# Altium PCB 400182.PcbDoc (part 2 of 3)
Units mm, origin at the board's own origin, x right, y up, seen from the top; angles counter-clockwise.
Board outline 50.6 x 50.4 mm, 2 copper layers (Top Layer, Bottom Layer), stack 1.505 mm thick; 166 components, 124 nets, 606 pads, 438 vias.
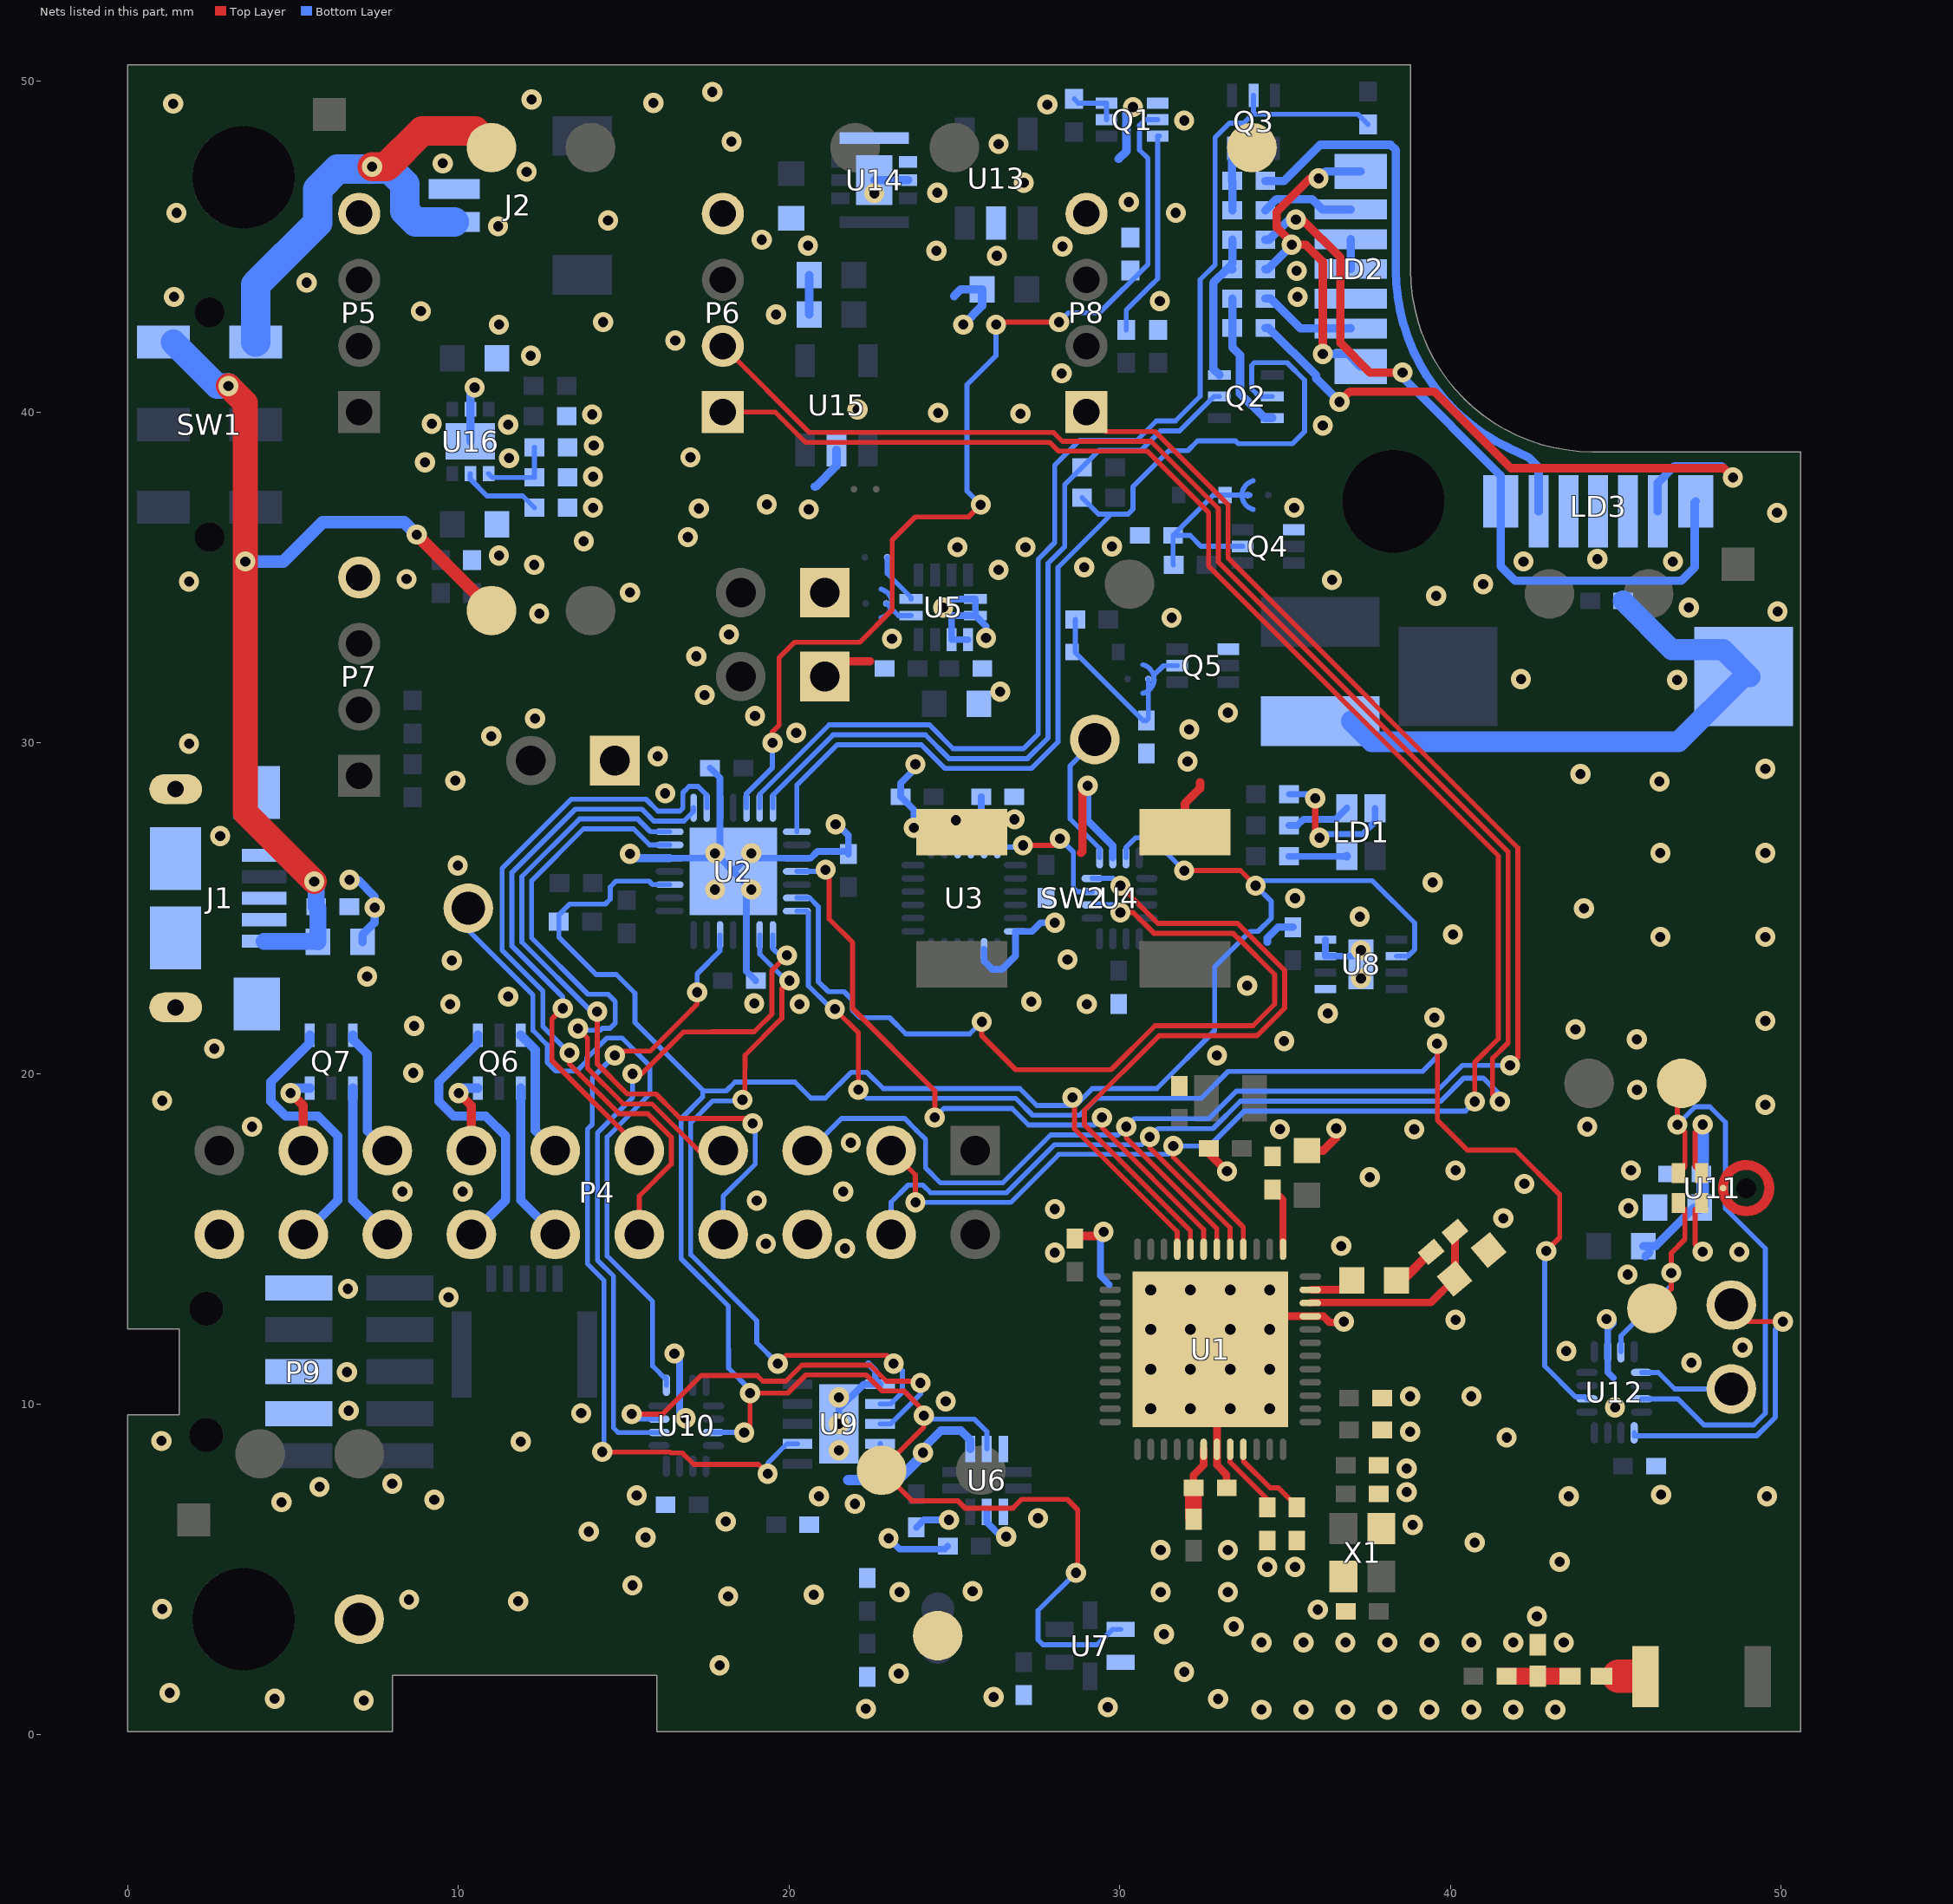
[diagram p2: the nets of this part, all layers, seen from the top]

## Part data (continued)
R6 R9: library part R0402-11R, "Resistor, ±1%, 0.063W", Part number IPS=00000007807, Supplier part number=214-0577, Value Ohm=11, Artikkelnr Noca=N.A., Artikkelnr Simpro=N.A., Footprint Doc=0402, LatestRevisionDate=2016-11-09, Note="Chip Res 1%", Part Number=R0402-11R, Pin Count=2, Published=2016-11-09, Publisher="Nordic Semiconductor", Supplier=Farnell
R10: library part R0402-100, "Resistor, ±1%, 0.063W", Part number IPS=00000002811, Supplier part number=173-8837, Value Ohm=100, Artikkelnr Noca=27049049, Artikkelnr Simpro=N.A., Footprint Doc=0402, LatestRevisionDate=2009-11-23, Note="Chip Res 1%", Part Number=R0402-100, Pin Count=2, Published=2009-05-08, Publisher="Nordic Semiconductor", Supplier=Farnell
R11 R12: library part R0402-39R, "Resistor, ±1%, 0.063W", Part number IPS=00000000821, Supplier part number=173-8831, Value Ohm=39, Artikkelnr Noca=27049039, Artikkelnr Simpro=N.A., Footprint Doc=0402, LatestRevisionDate=2009-11-23, Note="Chip Res 1%", Part Number=R0402-39R, Pin Count=2, Published=2009-05-08, Publisher="Nordic Semiconductor", Supplier=Farnell
R14 R16: library part R0402-18k, "Resistor, ±1%, 0.063W", Part number IPS=00000003300, Supplier part number=173-8867, Value Ohm=18000, Artikkelnr Noca=27049103, Artikkelnr Simpro=N.A., Footprint Doc=0402, LatestRevisionDate=2009-11-23, Note="Chip Res 1%", Part Number=R0402-18k, Pin Count=2, Published=2009-05-08, Publisher="Nordic Semiconductor", Supplier=Farnell
R17: library part R0402-27k, "Resistor, ±1%, 0.063W", Part number IPS=00000004188, Supplier part number=173-8869, Value Ohm=27000, Artikkelnr Noca=27049107, Artikkelnr Simpro=N.A., Footprint Doc=0402, LatestRevisionDate=2009-11-23, Note="Chip Res 1%", Part Number=R0402-27k, Pin Count=2, Published=2009-05-08, Publisher="Nordic Semiconductor", Supplier=Farnell
R18: library part R0402-15k, "Resistor, ±1%, 0.063W", Part number IPS=00000002098, Supplier part number=173-8866, Value Ohm=15000, Artikkelnr Noca=27049101, Artikkelnr Simpro=N.A., Footprint Doc=0402, LatestRevisionDate=2009-11-23, Note="Chip Res 1%", Part Number=R0402-15k, Pin Count=2, Published=2009-05-08, Publisher="Nordic Semiconductor", Supplier=Farnell
R19: library part NCP15XH103F03RC, "THERMISTOR 10K OHM NTC 0402 SMD", 2nd source part number=2456121, Manufacturer=Murata, Part number IPS=00000007808, Supplier part number=490-4801-1-ND, Value Ohm=10000, 2nd source Supplier=Farnell, Artikkelnr Noca=N.A., Artikkelnr Simpro=N.A., Footprint Doc=0402, LatestRevisionDate=2015-03-25, Manufacturer Part Number=NCP15XH103F03RC, Note="Chip Res 1%", Part Number=NCP15XH103F03RC, Pin Count=2, Published=2015-03-25, Publisher="Nordic Semiconductor", Supplier=Digi-Key
R20: library part R0402-1M5, "Resistor, ±1%, 0.063W", Part number IPS=00000007809, Value Ohm=1500000, Artikkelnr Noca=27049149, Artikkelnr Simpro=N.A., Footprint Doc=0402, LatestRevisionDate=2009-11-23, Note="Chip Res 1%", Part Number=R0402-1M5, Pin Count=2, Published=2009-05-08, Publisher="Nordic Semiconductor"
R21: library part R0402-180k, "Resistor, ±1%, 0.063W", Part number IPS=00000007810, Value Ohm=180000, Artikkelnr Noca=27049127, Artikkelnr Simpro=N.A., Footprint Doc=0402, LatestRevisionDate=2009-11-23, Note="Chip Res 1%", Part Number=R0402-180k, Pin Count=2, Published=2009-05-08, Publisher="Nordic Semiconductor"
R22 R23 R24 R25: library part R0402-4k7, "Resistor, ±1%, 0.063W", Part number IPS=00000003433, Supplier part number=173-8858, Value Ohm=4700, Artikkelnr Noca=27049089, Artikkelnr Simpro=N.A., Footprint Doc=0402, LatestRevisionDate=2009-11-23, Note="Chip Res 1%", Part Number=R0402-4k7, Pin Count=2, Published=2009-05-08, Publisher="Nordic Semiconductor", Supplier=Farnell
R27 R28: library part R0402-470, "Resistor, ±1%, 0.063W", Part number IPS=00000007975, Supplier part number=173-8845, Value Ohm=470, Artikkelnr Noca=27049065, Artikkelnr Simpro=N.A., Footprint Doc=0402, LatestRevisionDate=2009-11-23, Note="Chip Res 1%", Part Number=R0402-470, Pin Count=2, Published=2009-05-08, Publisher="Nordic Semiconductor", Supplier=Farnell
R29 R30 R31: library part R0402-100k, "Resistor, ±1%, 0.063W", Part number IPS=00000003667, Supplier part number=173-8877, Value Ohm=100000, Artikkelnr Noca=27049121, Artikkelnr Simpro=N.A., Footprint Doc=0402, LatestRevisionDate=2009-11-23, Note="Chip Res 1%", Part Number=R0402-100k, Pin Count=2, Published=2009-05-08, Publisher="Nordic Semiconductor", Supplier=Farnell
S1: library part "BMS1511F-11C-08H03P LF", "Speaker, SMD, 15.0mm x 11.0mm x 3.0mm, 0Hz-20kHz, 89dB, 8 ohm, 0.7W", Manufacturer=BeStar, Artikkelnr Noca=N.A., Artikkelnr Simpro=N.A., Datasheet="\\hizz\pro\app9717\Datasheet\speakers\bestar\BMS1511F-11C-08H03P LF.pdf", Footprint Doc="Speaker 15x11x3mm", LatestRevisionDate=2016-09-15, Manufacturer Part Number="BMS1511F-11C-08H03P LF", Part Number="BMS1511F-11C-08H03P LF", Pin Count=2, Published=2016-09-15, Publisher="Nordic Semiconductor"
SB2 SB9: library part "Solderbridge Shorted", "Shorted Solderbridge", Artikkelnr Noca=N.A., Artikkelnr Simpro=N.A., Footprint Doc=Solderbridge_Shorted, LatestRevisionDate=2012-08-07, Part Number="Solderbridge Shorted", Pin Count=2, Published=2012-08-07, Publisher="Nordic Semiconductor"
SW1: library part Switch-Slide-RA-J-Lead-DPDT-8.5x3.5mm_C&K, "SMD slide Switch (ON-ON)", 2nd source part number=611-JS202011JAQN, Manufacturer="C&K Components", Manufacturer Part Number=JS202011JAQN, Part number IPS=00000007811, Supplier part number=CKN10722CT-ND, 2nd source Supplier=Mouser, Artikkelnr Noca=N.A., Artikkelnr Simpro=N.A., Datasheet=http://www.ck-components.com/media/1422/js.pdf, Footprint Doc=Switch-Slide-RA-J-Lead-DPDT-8.5x3.5mm, LatestRevisionDate=2017-02-01, Part Number=Switch-Slide-RA-J-Lead-DPDT-8.5x3.5mm_C&K, Pin Count=6, Published=2016-09-15, Publisher="Nordic Semiconductor", Supplier=Digi-Key
SW2: library part Switch-PB-6.2x6.3mm-SMD, "Tactile Switch, SPNO, SMD, 160gf, 6.2x6.3x2.5mm", 2nd source part number=688-SKHUALE010, Manufacturer=Dailywell, Manufacturer Part Number=TS604VM1-025BR-R, Part number IPS=00000007812, 2nd source Supplier=Mouser, Artikkelnr Noca=50019106, Artikkelnr Simpro=N.A., Datasheet=\\hizz\pro\app9717\Datasheet\switches\Dailywell\TS604VM1-025BR-R.pdf, Footprint Doc=Switch-PB-6.2x6.3mm-SMD, LatestRevisionDate=2016-04-21, Part Number=Switch-PB-6.2x6.3mm-SMD, Pin Count=4, Published=2010-02-01, Publisher="Nordic Semiconductor", Supplier=Cabcon, Supplier part number=TS604VM1-025BR-R
TP1 TP2 TP3 TP4 TP16: library part "Testpoint TH", "Testpoint, through hole", Artikkelnr Noca=N.A., Artikkelnr Simpro=N.A., Footprint Doc=TESTPAD-TH, LatestRevisionDate=2009-12-12, Part Number="Testpoint TH", Pin Count=1, Published=2009-12-12, Publisher="Nordic Semiconductor"
TP5 TP6 TP7 TP8 TP9 TP10 TP11 TP12 TP13 TP14 TP15 TP17 TP18 TP19 TP20 TP21 TP22 TP23 TP24 TP25: library part TP_SMD_Ø1.5MM, "1.0mm circular SMD testpad", Manufacturer="Nordic Semiconductor", Artikkelnr Noca=N.A., Artikkelnr Simpro=N.A., Footprint Doc=TP_SMD_Ø1.5mm, LatestRevisionDate=2016-06-02, Part Number=TP_SMD_Ø1.5MM, Pin Count=1, Published=2016-06-02, Publisher="Nordic Semiconductor"
U1: "Multi-protocol Bluetooth Low Energy, ANT and 2.4GHz proprietary system-on-chip", Manufacturer="Nordic Semiconductor", Part number IPS=80000000710, Artikkelnr Noca=15079334, Artikkelnr Simpro=N.A., Footprint Doc=QFN-48, LatestRevisionDate=2016-08-25, Manufacturer Part Number=nRF52832-QFAAB0, Part Number=nRF52832-QFAAB0, Pin Count=48, Published=2016-08-25, Publisher="Nordic Semiconductor", Supplier="Nordic Semiconductor", Supplier part number=nRF52832-QFAAB0
U2: "IC GPIO EXPANDER I2C 16CH 28QFN", Manufacturer="Semtech Corporation", Part number IPS=00000007814, Supplier part number=SX1509BIULCT-ND, Artikkelnr Noca=N.A., Artikkelnr Simpro=N.A., Datasheet=http://www.semtech.com/apps/product.php?pn=sx1509&x=0&y=0, Footprint Doc=QFN-28, LatestRevisionDate=2015-03-10, Manufacturer Part Number=SX1509BIULTRT, Part Number=SX1509BIULTRT, Pin Count=29, Published=2015-03-10, Publisher="Nordic Semiconductor", Supplier=Digi-Key
U3: "9-axis MotionTracking™ Device", Manufacturer=InvenSense, Part number IPS=00000007815, Supplier part number=1428-1019-1-ND, Artikkelnr Noca=N.A., Artikkelnr Simpro=N.A., Datasheet=http://43zrtwysvxb2gf29r5o0athu.wpengine.netdna-cdn.com/wp-content/uploads/2015/02/MPU-9250-Datasheet.pdf, Footprint Doc=QFN-24, LatestRevisionDate=2015-06-24, Manufacturer Part Number=MPU-9250, Note="3-Axis Gyro, 3-Axis Accel and 3-Axis Compass", Part Number=MPU-9250, Pin Count=24, Published=2015-06-24, Publisher="Nordic Semiconductor", Supplier=Digi-Key
U4 U10 U12: library part NX3DV2567GU, "Low-ohmic four-pole double-throw analog switch", 2nd source part number=771-NX3DV2567GU115, Manufacturer="NXP Semiconductors", Part number IPS=00000007816, Supplier part number=568-5206-1-ND, 2nd source Supplier=Mouser, Artikkelnr Noca=15079317, Artikkelnr Simpro=N.A., Datasheet=http://www.nxp.com/documents/data_sheet/NX3DV2567.pdf, Footprint Doc=XQFN-16, LatestRevisionDate=2015-02-17, Manufacturer Part Number=NX3DV2567GU, Part Number=NX3DV2567GU, Pin Count=16, Published=2015-02-17, Publisher="Nordic Semiconductor", Supplier=Digi-Key
U5: "3-axis - ±2g/±4g/±8g/±16g digital output femto accelerometer", 2nd source part number=243-3081, Manufacturer=STMicroelectronics, Part number IPS=00000007817, Supplier part number=497-14851-1-ND, 2nd source Supplier=Farnell, Artikkelnr Noca=N.A., Artikkelnr Simpro=N.A., Datasheet=http://www.st.com/st-web-ui/static/active/en/resource/technical/document/datasheet/DM00091513.pdf, Footprint Doc=LGA-12, LatestRevisionDate=2015-09-29, Manufacturer Part Number=LIS2DH12, Note="MEMS digital output motion sensor ultra low-power high performance 3-axes \"femto\" accelerometer", Part Number=LIS2DH12, Pin Count=12, Published=2015-09-29, Publisher="Nordic Semiconductor", Supplier=Digi-Key
U6: "MEMS nano pressure sensor: 260-1260 hPa absolute digital output barometer", 2nd source part number=511-LPS22HBTR, Manufacturer=STMicroelectronics, Part number IPS=00000007818, Supplier part number=497-16265-1-ND, 2nd source Supplier=Mouser, Artikkelnr Noca=N.A., Artikkelnr Simpro=N.A., Datasheet=http://www.st.com/content/ccc/resource/technical/document/datasheet/bf/c1/4f/23/61/17/44/8a/DM00140895.pdf/files/DM00140895.pdf/jcr:content/translations/en.DM00140895.pdf, Footprint Doc=HLGA-10L, LatestRevisionDate=2016-06-20, Manufacturer Part Number=LPS22HB, Part Number=LPS22HB, Pin Count=10, Published=2016-06-20, Publisher="Nordic Semiconductor", Supplier=Digi-Key
U7: "Capacitive digital sensor for relative humidity and temperature", 2nd source part number=511-HTS221TR, Manufacturer=STMicroelectronics, Part number IPS=00000007819, Supplier part number=497-15382-1-ND, 2nd source Supplier=Mouser, Artikkelnr Noca=N.A., Artikkelnr Simpro=N.A., Datasheet=http://www.st.com/content/ccc/resource/technical/document/datasheet/4d/9a/9c/ad/25/07/42/34/DM00116291.pdf/files/DM00116291.pdf/jcr:content/translations/en.DM00116291.pdf, Footprint Doc=HLGA-6L, LatestRevisionDate=2016-09-15, Manufacturer Part Number=HTS221, Part Number=HTS221, Pin Count=6, Published=2016-09-15, Publisher="Nordic Semiconductor", Supplier=Digi-Key
U8: "Digital 16bit Serial Output Type Color Sensor IC", Manufacturer="Rohm Semiconductor", Part number IPS=00000007820, Supplier part number=BH1745NUC-E2CT-ND, Artikkelnr Noca=N.A., Artikkelnr Simpro=N.A., Datasheet=http://rohmfs.rohm.com/en/products/databook/datasheet/ic/sensor/light/bh1745nuc-e.pdf, Footprint Doc=WSON-8, LatestRevisionDate=2015-10-07, Manufacturer Part Number=BH1745NUC, Part Number=BH1745NUC, Pin Count=8, Published=2015-10-07, Publisher="Nordic Semiconductor", Supplier=Digi-Key
U9: "Ultra-low power digital gas sensor for monitoring indoor air quality", Manufacturer="Cambridge CMOS Sensors", Part number IPS=00000007821, Artikkelnr Noca=N.A., Artikkelnr Simpro=N.A., Footprint Doc=LGA-10, LatestRevisionDate=2015-11-04, Manufacturer Part Number=CCS811, Part Number=CCS811, Pin Count=10, Published=2015-11-04, Publisher="Nordic Semiconductor"
U11: "MEMS audio sensor omnidirectional digital microphone", 2nd source part number=511-MP34DB02TR, Manufacturer=STMicroelectronics, Part number IPS=00000007822, Supplier part number=497-15103-1-ND, 2nd source Supplier=Mouser, Artikkelnr Noca=N.A., Artikkelnr Simpro=N.A., Datasheet=http://www.st.com/web/en/resource/technical/document/datasheet/DM00111225.pdf, Footprint Doc=RHLGA-4, LatestRevisionDate=2015-11-11, Manufacturer Part Number=MP34DB02, Note="Alternative: ADMP421, SPK0833LM4H-B, MP34DB01", Part Number=MP34DB02, Pin Count=5, Published=2015-11-11, Publisher="Nordic Semiconductor", Supplier=Digi-Key
U13 U15: library part TCK106AF,LF, "1.0 A Load Switch IC with Slew Rate Control Driver in Small Package", Manufacturer=Toshiba, Part number IPS=00000007823, Supplier part number=TCK106AFLFCT-ND, Artikkelnr Noca=15070086, Artikkelnr Simpro=N.A., Datasheet=https://toshiba.semicon-storage.com/info/docget.jsp?did=53240&prodName=TCK108AF, Footprint Doc=SOT-25, LatestRevisionDate=2016-09-29, Manufacturer Part Number=TCK106AF,LF, Part Number=TCK106AF,LF, Pin Count=5, Published=2016-09-29, Publisher="Nordic Semiconductor", Supplier=Digi-Key
U14: "3.3V 200mA Inductor Built-in Step-Down “micro DC/DC” Converter", Manufacturer="Torex Semiconductor", Part number IPS=00000007826, Artikkelnr Noca=N.A., Artikkelnr Simpro=N.A., Datasheet=https://www.torexsemi.com/file/xcl210/XCL210.pdf, Footprint Doc=CL-2025, LatestRevisionDate=2017-01-30, Manufacturer Part Number=XCL210C33, Part Number=XCL210C33, Pin Count=8, Published=2016-09-29, Publisher="Nordic Semiconductor"
U16: library part XC6804A4E14R-G, "One Cell Li-ion/Li-polymer Linear Charger IC with Battery Temperature Detection", 2nd source part number=865-XC6804A4E14R-G, Manufacturer="Torex Semiconductor", Part number IPS=00000007825, Supplier part number=893-1312-1-ND, 2nd source Supplier=Mouser, Artikkelnr Noca=N.A., Artikkelnr Simpro=N.A., Datasheet=https://www.torexsemi.com/file/xc6804/XC6804.pdf, Footprint Doc=USP-6EL, LatestRevisionDate=2016-09-29, Manufacturer Part Number=XC6804A4E14R-G, Part Number=XC6804A4E14R-G, Pin Count=6, Published=2016-09-29, Publisher="Nordic Semiconductor", Supplier=Digi-Key
X1: library part XTAL_SMD2016_32MHz_8pF_Kyocera, "XTAL SMD 2016, 32MHz, Cl=8pF, Tot: ±40ppm", Manufacturer=Kyocera, Manufacturer Part Number=CX2016DB32000D0WZRC1, Part number IPS=00000007827, Supplier part number=1253-1586-1-ND, Artikkelnr Noca=22010022, Artikkelnr Simpro=N.A., Datasheet=http://media.digikey.com/pdf/Data%20Sheets/AVX%20PDFs/CX2016DB32000D0WZRC1_Spec.pdf, Footprint Doc=XTAL_2016, LatestRevisionDate=2016-06-02, Note="XTAL SMD 32.000MHz", Part Number=XTAL_SMD2016_32MHz_8pF_Kyocera, Pin Count=4, Published=2015-10-15, Publisher="Nordic Semiconductor", Supplier=Digi-Key
X2: library part XTAL_SMD2012_32.768kHz_9pF_MC, "XTAL SMD 2012, 32.768kHz, 9pF, ±20ppm", Manufacturer="Micro Crystal", Manufacturer Part Number="CM8V-T1A 32.768KHZ 9PF +/-20PPM TA QC", Part number IPS=00000007828, Supplier part number=70417961, Artikkelnr Noca=N.A., Artikkelnr Simpro=N.A., Datasheet=http://www.microcrystal.com/images/_PDF/3_Crystal_Ceramic-Package/cm8v-t1a.pdf, Footprint Doc=XTAL_2012, LatestRevisionDate=2017-01-30, Note="XTAL SMD 32.768kHz", Part Number=XTAL_SMD2012_32.768kHz_9pF_MC, Pin Count=2, Published=2016-09-15, Publisher="Nordic Semiconductor", Supplier=Allied
SB7 SB8 SB10: Artikkelnr Noca=N.A., Artikkelnr Simpro=N.A., Footprint Doc=Solderbridge, LatestRevisionDate=2009-12-14, Part Number=Solderbridge, Pin Count=2, Published=2009-12-14, Publisher="Nordic Semiconductor"

## Via types
v1: diameter 0.61, hole 0.305, Top Layer to Bottom Layer, tented both sides, 422 vias
v2: diameter 0.66, hole 0.33, Top Layer to Bottom Layer, tented both sides, 16 vias
